# KiCad board CPU.kicad_pcb (continued)
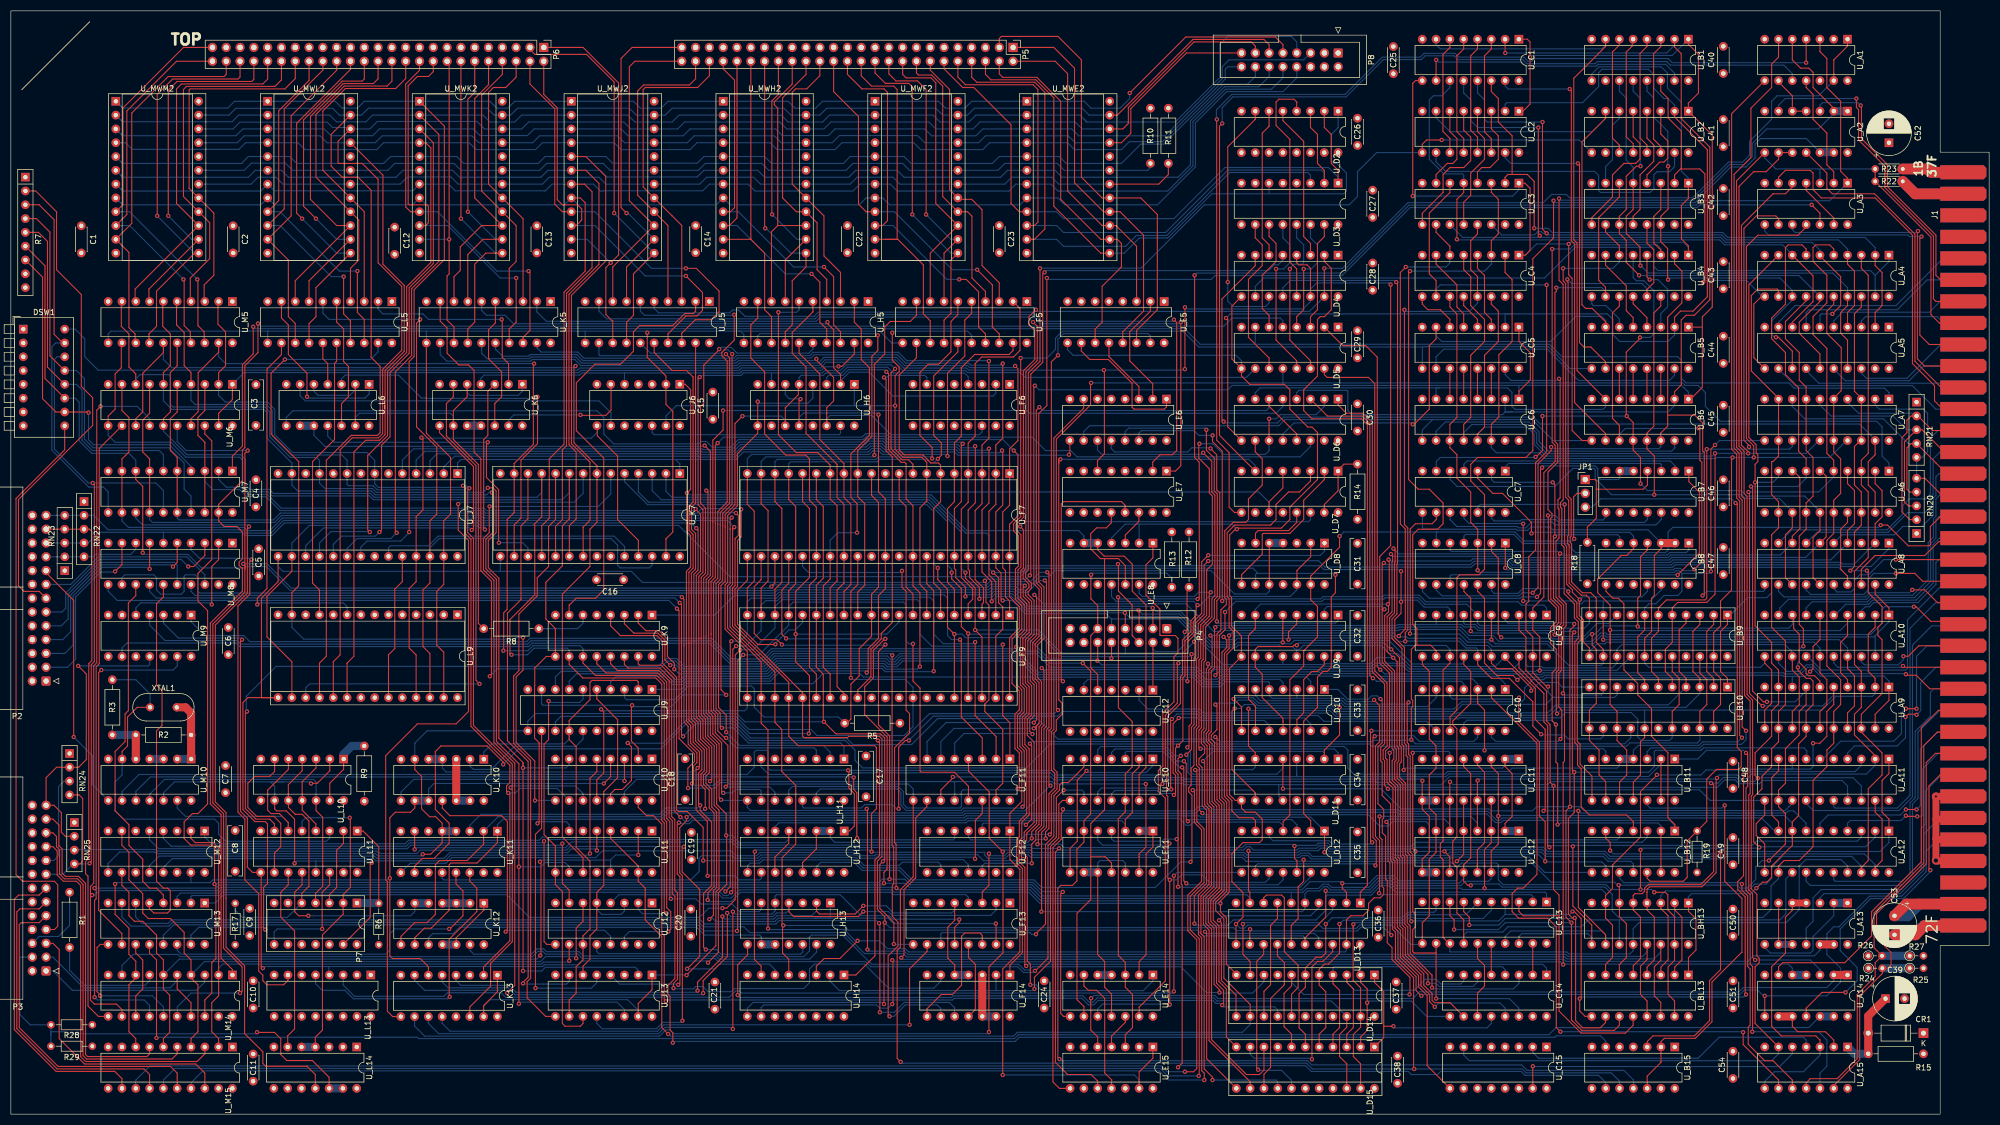
[diagram p0: board, top side]
## Routing (per net, layer and track width the routed paths; a pad name or vN(x,y) marks a point on that pad's centre or on a via; arc(x,y) is an arc through that point)
+5V: length 43.3
  Top w2: C53.1 348.75,38.66 J1.35 ; R22.1 350.4,169.34 J1.2
  Bottom w2: C53.1 349,36.5 351.16,38.66 J1.35 ; J1.2 350.4,169.34 R22.1
GND: length 41.5
  Top w2: R23.2 352.68,173.91 353.3,173.3 J1.1 ; C53.2 350.45,33 352.15,34.7 J1.36
  Bottom w2: C53.2 350.32,33 352.02,34.7 J1.36 ; J1.1 353.42,173.3 352.81,173.91 R23.2
/Addr U/D: length 348.5
  Top w0.2: U_B1.1 308.66,196.85 310.52,195 310.52,187.88 308.66,186.03 U_B2.1 313.06,180.15 313.06,148.51 311.23,146.68 311.23,133.73 309.06,131.56 ; U_C6.1 277.48,133 279.58,135.11 279.58,140.08 277.48,142.18 U_C5.1 ; U_C1.1 279.02,197.79 279.53,197.28 v1(279.53,194.49) 279.53,185.85 278.22,184.55 U_C2.1 ; U_B5.1 311.08,144.81 ; v1(188.23,72.03) 188.73,72.53 188.73,79.22 188.02,79.93 188.02,86.74 189.18,87.9 189.18,96.61 188.23,97.56 188.23,133.84 v1(188.42,134.04)
  Bottom w0.2: 277.44,134.09 307.4,134.09 307.86,133.64 307.87,133.64 308.66,132.85 U_B6.1 ; 277.44,134.09 277.48,134.06 U_C6.1 ; 277.44,134.09 224.72,134.09 223.9,133.27 189.18,133.27 v1(188.42,134.04) ; U_B1.1 305.67,194.8 279.84,194.8 v1(279.53,194.49) ; U_F11.7 168.58,68.55 172.09,72.06 188.2,72.06 v1(188.23,72.03)
/Addr_Clock: length 199.6
  Top w0.2: v1(217.05,46.41) 217.32,46.68 217.32,58.7 216.72,59.3 216.72,60.05 217.17,60.5 217.17,63.64 217.69,64.15 217.69,71.02 218.15,71.48 218.15,83.73 218.48,84.06 218.48,90.22 220.02,91.76 220.02,100.12 221.07,101.17 221.07,113.73 220.51,114.29 220.51,118.76 218.57,120.7 218.57,123.23 v1(218.7,123.36) ; v1(231.52,127.94) 231.51,127.92 U_D6.11
  Bottom w0.2: U_H12.9 135.55,45.68 136.05,46.18 137.77,46.18 138.37,46.78 155.33,46.78 156.8,45.31 163.65,45.31 165.87,43.1 188.25,43.1 189.65,41.71 210.57,41.71 215.27,46.41 v1(217.05,46.41) ; U_D6.2 241.67,130.21 240.16,128.7 233.56,128.7 232.79,127.94 v1(231.52,127.94) ; v1(218.7,123.36) 218.7,123.36 221.12,123.36 223.08,121.4 230.82,121.4 231.52,122.1 231.51,122.11 U_D6.11
/AFL.CARRY: length 154.4
  Top w0.2: v1(114.3,75.24) 114.18,75.11 114.18,68.63 115.43,67.38 U_J10.2 ; 142.5,126.8 142.5,129.97 144.9,132.37 144.9,134.28 ; v1(131.62,77.14) 130.66,78.1 130.66,97.25 131.43,98.02 131.43,108.04 131.43,108.04 131.43,110.32 133.23,112.12 133.23,127.05 v1(134.61,128.43)
  Bottom w0.2: U_H6.5 145.03,135.56 145.42,135.94 149.52,135.94 149.95,136.37 152.84,136.37 153.9,137.43 161.32,137.43 162.38,136.37 175.47,136.37 176.15,135.69 176.15,134.28 ; v1(134.61,128.43) 134.62,128.45 141.74,128.45 142.5,127.69 142.5,126.8 ; U_J9.9 97.65,75.5 97.92,75.24 v1(114.3,75.24) 114.56,74.98 121.49,74.98 123.65,77.14 v1(131.62,77.14)
/AFL.HALFC: length 61
  Top w0.2: v1(96.52,23.18) 96.52,51.49 97.65,52.61 U_J9.12
  Bottom w0.2: v1(96.52,23.18) 106.82,23.18 107.81,24.17 U_J13.5
/AFL.LZERO: length 26.2
  Bottom w0.2: 84.48,65.3 84.48,64.08 84.46,64.06 85.09,63.42 88.39,63.42 92.64,67.67 103.94,67.67 105.27,69 105.27,70.53
/AFL.OVER: length 75.1
  Top w0.2: v1(98.94,76) 98.94,68.88 98.11,68.05 98.11,51.43 100.19,49.34 U_J11.9 100.19,42.23 101.48,40.94 101.48,16.69 101.98,16.18 104.78,16.18 105.27,16.67 105.27,17.99
  Bottom w0.2: 105.27,78.15 105.27,76.36 104.65,75.74 99.19,75.74 v1(98.94,76)
/AFL.SIGN: length 65.1
  Top w0.2: U_J9.5 107.81,76.39 111.64,72.57 111.64,61.9 109.1,59.36 109.1,42.09 107.81,40.8 U_J12.5 107.81,34.07 106.56,32.82 106.56,28.5 105.27,27.21 105.27,25.6
  Bottom w0.2: U_J12.5 107.81,37.66 108.72,36.75 112.27,36.75 112.89,37.37 U_J12.3
/AFL.ZERO: length 96.3
  Top w0.2: U_J9.2 115.43,79.54 115.45,79.55 115.19,79.81 106.94,79.81 106.56,79.43 106.56,76.25 102.73,72.43 U_J9.14 102.73,68.9 104.02,67.62 104.02,49.08 106.56,46.54 106.56,34.09 105.27,32.8 105.27,28.36 104.02,27.1 104.02,22.28 102.73,20.99 U_J13.10
  Bottom w0.2: U_J9.14 102.73,69.03 102.75,69.01 101.86,68.12 88.52,68.12 87.02,66.62 U_K10.1
/ALU.CARRY: length 142.1
  Top w0.2: v1(161.09,136.6) 161.49,136.19 161.49,122.26 163.81,119.94 164.47,119.94 164.72,119.69 164.72,113.21 165.99,111.94 U_F7.33 165.99,97.21 167.26,95.94 v1(167.26,82.35)
  Bottom w0.2: v1(161.09,136.6) 160.71,136.97 154.08,136.97 153.03,135.92 150.48,135.92 150.11,135.56 U_H6.3 ; v1(167.26,82.35) 166.79,81.87 161.05,81.87 160.47,82.46 141.26,82.46 139.38,80.57 123.83,80.57 123.72,80.46 123.72,80.42 123.27,79.97 122.14,79.97 120.63,81.48 101.25,81.48 100.19,80.43 U_J9.8
/ALU.CARRY_IN: length 71.7
  Top w0.2: U_F9.29 155.83,78.02 158.25,80.44 158.25,85.51 160.15,87.42 160.15,88.44 162.18,90.47 162.18,120.93 161.04,122.07 161.04,135.18 v1(160.66,135.56)
  Bottom w0.2: v1(160.66,135.56) 161.17,135.56 161.53,135.92 168.17,135.92 168.53,135.56 U_F6.7
/ALU.HALFC: length 112.3
  Top w0.2: v1(154.56,80.27) 154.56,96.19 155.83,97.46 U_F7.29
  Bottom w0.2: v1(154.56,80.27) 154.86,79.97 164.55,79.97 165.99,78.54 U_F9.33 165.99,71.29 164.36,69.67 148.32,69.67 147.2,70.78 135.8,70.78 133.4,73.18 101.2,73.18 100.19,72.17 U_J9.13
/ALU.OVER: length 92.7
  Top w0.2: U_F7.34 168.53,97.59 169.8,96.32 v1(169.8,81.5)
  Bottom w0.2: v1(169.8,81.5) 169.72,81.42 160.86,81.42 160.28,82 141.45,82 139.56,80.12 124.06,80.12 123.46,79.52 121.95,79.52 120.44,81.03 104.09,81.03 102.73,79.66 U_J9.7
/ALU.SHIFT_Q0: length 118.5
  Top w0.2: v1(108.61,74.48) 109.1,74 109.1,62.79 107.81,61.5 U_J10.12 ; v1(137.42,131.11) 137.42,125.27 133.68,121.54 133.68,111.93 131.89,110.14 131.89,107.81 131.89,107.8 131.89,97.84 131.42,97.37 131.42,89.23 135.51,85.15 U_F9.21
  Bottom w0.2: v1(137.42,131.11) 137.72,130.81 146.63,130.81 147.57,131.75 U_H6.4 ; v1(108.61,74.48) 108.88,74.22 135,74.22 135.51,74.72 U_F9.21
/ALU.SHIFT_RAM0_Q7: length 121.3
  Top w0.2: v1(113.5,68.29) 114.18,67.62 114.18,61.39 112.53,59.74 111.13,59.74 110.35,58.96 U_J10.13 ; U_F7.16 145.67,112.7 146.94,111.43 146.94,98.73 144.4,96.19 v1(144.4,88.32) 144.4,83.24 146.94,80.7 146.94,70.16 v1(146.81,70.03)
  Bottom w0.2: U_F9.9 163.45,90.6 161.17,88.32 v1(144.4,88.32) ; v1(146.81,70.03) 135.91,70.03 133.21,72.73 124.49,72.73 120.01,68.25 113.55,68.25 v1(113.5,68.29)
/ALU.SHIFT_RAM7: length 156
  Top w0.2: v1(128.66,61.26) 128.96,61.56 128.96,67.6 127.35,69.21 127.35,72.48 126.57,73.26 126.57,87.41 126.57,87.41 126.57,98.94 127.35,99.72 127.35,111.21 126.44,112.12 126.44,135.32 v1(126.74,135.62) ; v1(162.69,137.13) 161.95,136.38 161.95,136.38 161.95,122.45 164,120.39 165.16,120.39 165.99,119.56 U_F7.8
  Bottom w0.2: v1(128.66,61.26) 128.33,61.59 115.14,61.59 112.89,59.34 U_J10.14 ; v1(162.69,137.13) 161.94,137.88 153.71,137.88 152.65,136.83 149.76,136.83 149.33,136.39 134.82,136.39 134.35,135.92 126.88,135.92 126.74,135.78 v1(126.74,135.62) ; 139.95,136.32 U_H6.7
/ALU.SIGN: length 126.6
  Top w0.2: v1(145.29,131.56) 145.03,131.3 U_H6.12 ; v1(159.64,128.71) 159.64,114.48 160.91,113.21 160.91,96.69 159.64,95.43 159.64,87.55 157.74,85.65 157.74,81.5 v1(157.48,81.25)
  Bottom w0.2: U_H6.6 142.49,132.51 142.5,132.51 142.5,132.38 143.26,131.62 145.23,131.62 v1(145.29,131.56) ; 145.04,126.8 145.04,128.19 145.85,129.01 159.34,129.01 v1(159.64,128.71) ; U_J9.4 110.35,79.54 111.39,80.57 120.25,80.57 121.78,79.04 123.63,79.04 124.25,79.67 139.75,79.67 141.63,81.55 157.18,81.55 v1(157.48,81.25)
/ALU.ZERO: length 97
  Top w0.2: 153.8,71.93 154.56,72.69 154.56,79.11 156.09,80.63 156.09,85.65 158.37,87.93 U_F9.11 158.37,95.68 159.64,96.95 159.64,112.57 158.37,113.85 U_F7.11
  Bottom w0.2: R5.2 152.28,73.08 138.56,73.08 136.78,74.85 136.78,78.28 136.31,78.76 124.63,78.76 122.12,76.25 113.29,76.25 112.89,76.65 U_J9.3
/BeginRead: length 152.2
  Top w0.2: v1(186.16,56.57) 186.46,56.87 186.46,66.85 185.66,67.65 185.66,73.21 186.46,74.01 186.46,78.28 185.75,78.99 185.75,87.68 186.91,88.84 186.91,93.96 185.81,95.06 185.81,99.99 186.3,100.49 186.3,107.53 v1(185.7,108.13)
  Bottom w0.2: U_D7.14 239.13,109.38 238.76,109.02 186.59,109.02 v1(185.7,108.13) ; v1(186.16,56.57) 185.9,56.31 175.27,56.31 174.84,55.88 164.72,55.88 163.76,56.84 163.76,59.17 163.1,59.83 148.94,59.83 148.21,59.1 U_H11.14
/BeginWrite: length 134
  Top w0.2: v1(165.23,68.76) 164.59,68.76 163.35,67.52 v1(163.35,56.18)
  Bottom w0.2: v1(163.35,56.18) 162.95,56.18 162.18,56.95 157.1,56.95 156.49,56.33 145.91,56.33 145.67,56.57 U_H11.13 ; U_C10.9 260.51,72.28 241.6,72.28 240.53,73.34 219.22,73.34 218.47,74.09 193.47,74.09 192.62,73.24 169.71,73.24 v1(165.23,68.76)
/BUS_FORCE_READY: length 151.6
  Top w0.2: U_E15.5 199.98,14.2 198.7,15.48 198.7,21.27 v1(198.76,21.32)
  Top w1.5: U_A14.1 335.42,25.6
  Bottom w0.2: v1(198.76,21.32) 199.26,21.82 221.56,21.82 222.11,21.27 257.95,21.27 259.21,22.53 259.84,22.53 259.9,22.47 317.94,22.47 318.77,23.29 334.14,23.29 335.42,24.57 335.42,25.6
/BUS_TIMEOUT: length 237
  Top w0.2: 327.8,176.93 325.25,176.93 325.25,175.7 322.96,173.41 320.68,173.41 317.98,170.7 317.98,122.91 318.91,121.98 318.91,114.23 319.46,113.67 319.46,77.21 320.48,76.19 320.48,58.79 320.22,58.53 320.22,41.48 321.25,40.45 321.25,29.13 321.69,28.68 321.69,27.86 320.93,27.1 320.93,16.69 325.25,12.37
  Bottom w0.2: U_C15.7 267.32,10.86 268.35,9.83 323.98,9.83 325.25,11.1 U_A15.6
/BusCycleEnd: length 113.3
  Top w0.2: 198.7,47.35 198.7,51.03 198.7,51.03 198.7,53.46 201.23,55.99 201.23,102.2 201.24,102.21 ; 198.7,47.35 198.7,39.49 196.16,36.95 196.16,21.06 197.44,19.79 U_E14.9 ; 198.7,47.35 201.37,47.35 202.52,46.2 U_E11.11 ; U_E7.12 202.48,108.8 201.55,107.87 199.77,107.87 198.69,106.79 198.69,104 200.48,102.21 201.24,102.21 ; 201.24,102.21 203.78,102.21 205.06,100.94 U_E8.12
/CCR.CARRY: length 168.6
  Top w0.2: U_J10.4 110.35,62.09 v1(109.1,60.84) ; U_K13.6 76.82,27.12 75.31,28.63 70.23,28.63 69.73,29.13 v1(69.73,43.4) 69.73,54.53 70.74,55.55 73.54,55.55 74.32,56.34 U_K10.9 ; U_M14.8 22.98,28.12 21.72,29.39 21.72,34.21 19.18,36.75 v1(19.18,42.34) ; 22.98,12.63 22.98,13.9 21.72,15.16 21.72,23.81 22.98,25.07
  Bottom w0.2: v1(19.18,42.34) 19.43,42.6 33.15,42.6 ; v1(69.73,43.4) 69.43,43.1 37.16,43.1 36.72,42.65 36.72,42.6 33.15,42.6 ; 33.15,42.6 33.12,42.62 U_M12.15 ; U_K10.10 76.86,59.85 77.85,60.84 v1(109.1,60.84)
  Bottom w1.5: U_K10.9 U_K10.10
/CCR.OVER: length 150.1
  Top w0.2: U_J11.2 115.43,47.7 v1(115.45,47.68) ; v1(97.35,46.45) 97.54,46.26 97.54,29.32 v1(97.41,29.2) ; U_M12.10 20.42,42.11 21.72,40.82 21.72,36.5 22.74,35.48 24.26,35.48 26.8,32.94 26.8,29.64 28.06,28.38 U_M14.6 28.06,23.04 29.22,21.89 29.22,15.05 28.06,13.9 28.06,12.88
  Bottom w0.2: 110.35,46.75 110.35,46.77 111.25,47.68 115.44,47.68 v1(115.45,47.68) ; 110.35,46.75 97.65,46.75 v1(97.35,46.45) ; 110.35,46.75 U_J11.13 ; U_M14.6 30.98,28.52 96.73,28.52 v1(97.41,29.2)
/CCR.SIGN: length 130.5
  Top w0.2: U_M12.7 20.42,49.48 21.72,48.18 21.72,43.1 24.26,40.56 24.26,37.01 25.28,35.99 29.34,35.99 31.88,33.45 31.88,29.64 33.15,28.38 U_M14.4 ; v1(104.02,28.69) 104.02,34.21 105.27,35.47 105.27,38.85 ; 33.15,25.07 34.42,23.79 34.42,15.16 33.15,13.89 33.15,12.88
  Bottom w0.2: v1(104.02,28.69) 103.72,28.99 98.39,28.99 97.46,28.06 35.6,28.06 U_M14.4
/CCR.ZERO: length 112.9
  Top w0.2: U_J12.10 102.73,28.25 v1(102.75,28.23) ; U_M12.2 33.12,50.75 33.91,49.96 37.21,49.96 38.23,48.95 U_M14.2 ; 38.23,13.14 38.23,13.9 36.96,15.16 36.96,20.5 38.23,21.76 38.23,25.07
  Bottom w0.2: v1(102.75,28.23) 102.49,27.98 98.02,27.98 97.65,27.61 38.99,27.61 38.23,26.84 U_M14.2
/CondCycle: length 103.6
  Top w0.2: U_K9.4 110.35,89.85 112.16,88.04 118.88,88.04 119.89,87.03 119.89,82.99 122.49,80.39 122.49,56.01 122.82,55.68 124.46,55.68 127.38,52.76 127.38,46.67 v1(127.39,46.66)
  Bottom w0.2: v1(127.39,46.66) 127.41,46.64 128.92,46.64 128.93,46.64 137.58,46.64 138.18,47.24 155.52,47.24 156.99,45.77 163.45,45.77 164.05,46.37 170.6,46.37 171.12,45.85 171.12,44.47
/CondDMARequest: length 125.7
  Top w0.2: v1(121.92,23.18) 121.92,24.05 122.65,24.78 122.65,40.73 122.16,41.22 122.16,54.2 121.58,54.79 121.58,79.9 119.41,82.08 113.56,82.08 112.89,82.74 U_K9.14
  Bottom w0.2: v1(121.92,23.18) 122.05,23.05 125.6,23.05 126.03,23.48 127.33,23.48 128.27,22.53 132.58,22.53 133.16,23.11 145.87,23.11 146.94,24.18 146.94,26.72 147.83,27.61 157.05,27.61 161.48,23.18 169.83,23.18 171.12,24.47 171.12,25.6
/CondMemFault: length 255
  Top w0.2: v1(121.8,13.14) 121.8,14.96 121.29,15.47 121.29,21.64 120.91,22.02 120.91,23.68 122.18,24.95 122.18,40.06 121.71,40.53 121.71,54.02 121.13,54.6 121.13,79.72 119.22,81.62 111.6,81.62 110.35,82.87 U_K9.13
  Bottom w0.2: U_B15.6 293.46,13.43 292.48,14.4 284.36,14.4 284.1,14.15 185.56,14.15 184.8,13.39 122.04,13.39 v1(121.8,13.14)
/CondMultiINT: length 74.8
  Top w0.2: v1(121.43,39.62) 121.25,39.79 121.25,53.83 120.67,54.41 120.67,79.53 119.03,81.17 109.51,81.17 107.81,82.87 U_K9.12
  Bottom w0.2: U_H13.6 138.09,37.68 137.67,37.26 134.12,37.26 132.72,38.66 127,38.66 126.04,39.62 v1(121.43,39.62)
/CondRegOrPageOut: length 219.2
  Top w0.2: U_D12.1 241.71,48.21 v1(241.68,48.18) ; v1(123.19,54.66) 122.03,55.82 122.03,80.2 119.64,82.6 115.65,82.6 115.43,82.82 U_K9.15
  Bottom w0.2: U_D12.1 239.16,54.64 218.94,54.64 218.68,54.9 175.78,54.9 175.4,54.51 125.26,54.51 124.65,53.9 124.02,53.9 123.26,54.66 v1(123.19,54.66) ; U_B12.11 298.54,46.05 298.07,46.51 293.89,46.51 292.98,47.42 282.41,47.42 281.64,48.2 264.81,48.2 264.21,47.6 254.71,47.6 254.44,47.88 241.99,47.88 v1(241.68,48.18)
/CondRIR_{0NOR4}: length 133.8
  Top w0.2: U_K9.3 112.89,90.24 114.63,88.5 119.07,88.5 120.34,87.22 120.34,83.6 v1(121.33,82.61)
  Bottom w0.2: U_D10.4 234.09,79.4 233.49,80 223.22,80 222.31,79.1 219.46,79.1 217.7,80.86 188.82,80.86 185.85,83.83 163.92,83.83 162.87,82.78 161.43,82.78 160.84,83.36 140.88,83.36 139,81.48 123.55,81.48 122.41,82.62 121.34,82.62 v1(121.33,82.61)
/CondRIR_{0}: length 218.1
  Top w0.2: v1(250.83,76.21) 251.84,75.19 251.84,68.52 251.08,67.76 251.08,51.09 251.84,50.34 251.84,40.75 v1(251.75,40.66) ; v1(122.08,81.87) 122.09,81.88 122.09,82.92 120.8,84.21 120.8,87.41 119.26,88.95 116.84,88.95 115.43,90.36 U_K9.2
  Bottom w0.2: v1(250.83,76.21) 250.53,75.91 245.77,75.91 245.17,76.52 236.59,76.52 ; v1(122.08,81.87) 122.92,81.03 139.19,81.03 141.07,82.91 160.66,82.91 161.24,82.33 163.06,82.33 164.11,83.38 185.66,83.38 188.64,80.4 217.51,80.4 219.27,78.64 222.5,78.64 223.41,79.55 231.4,79.55 231.55,79.4 U_D10.5 231.55,77.01 232.05,76.52 236.59,76.52 ; 280.02,38.85 280.02,40.07 279.71,40.38 252.03,40.38 v1(251.75,40.66) ; 236.59,76.52 236.63,76.55 U_D10.3
/CPL_Disable: length 173.4
  Top w0.2: v1(216.49,79.65) 216.49,86.87 218.02,88.41 218.02,90.41 219.56,91.95 219.56,101.02 v1(220.32,101.78)
  Bottom w0.2: v1(216.49,79.65) 216.19,79.95 198.14,79.95 197.44,79.25 U_E12.6 ; 345.56,105.07 345.56,104.06 342.27,100.76 336.81,100.76 336.51,101.07 306.19,101.07 305.72,100.6 276.14,100.6 275.47,101.27 269.38,101.27 268.76,100.65 241.78,100.65 240.6,101.83 220.37,101.83 v1(220.32,101.78)
/CPL_{0}: length 221.7
  Top w0.2: 252.32,92.86 252.35,92.89 v1(252.73,92.89) ; 252.32,92.86 252.32,83.15 254.13,81.34 254.13,67.32 254.46,66.99 254.46,65.35 254.16,65.05 254.16,61.42 255.22,60.37 255.22,47.31 255.57,46.96 255.57,34.61 256.12,34.05 256.12,29.02 259.46,25.68 259.46,23.6 261.05,22.01 261.05,20.69 v1(262,19.74) ; 252.32,92.86 252.32,101.12 v1(252.62,101.42) ; 343.02,105.07 343.02,108.63 344.3,109.91 344.3,114.73 343.02,116.01 343.02,118.53
  Bottom w0.2: v1(252.62,101.42) 252.94,101.11 268.57,101.11 269.19,101.72 275.65,101.72 276.32,101.05 305.53,101.05 306,101.52 336.69,101.52 337,101.22 339.17,101.22 343.02,105.07 ; v1(252.73,92.89) 252.22,93.4 242.19,93.4 241.67,92.87 U_D9.2 ; v1(262,19.74) 262.71,20.44 274,20.44 274.94,19.5 U_C14.13
/CPL_{1}: length 241.7
  Top w0.2: 337.94,105.07 337.94,107.36 339.22,108.64 339.22,114.73 337.94,116.01 337.94,118.53 ; U_D9.7 228.97,89.35 228.98,89.33 227.71,88.06 227.71,76.38 229.01,75.08 U_D10.9 ; v1(253.48,102.03) 253.62,101.89 253.62,94.07 v1(253.37,93.82) 253.49,93.7 253.49,92.42 252.78,91.71 252.78,83.33 254.6,81.51 254.6,67.49 254.92,67.17 254.92,65.17 254.62,64.87 254.62,61.61 255.67,60.56 255.67,47.5 256.02,47.14 256.02,34.8 256.58,34.24 256.58,29.21 259.97,25.82 259.97,23.73 261.5,22.2 261.5,20.95 261.95,20.51 264.8,20.51 U_C14.10
  Bottom w0.2: v1(253.48,102.03) 253.74,101.78 268.6,101.78 269,102.18 275.84,102.18 276.51,101.51 305.34,101.51 305.81,101.98 334.85,101.98 337.94,105.07 ; v1(253.37,93.82) 253.34,93.85 229.95,93.85 228.97,92.87 U_D9.7
/CPL_{2}: length 219.8
  Top w0.2: 332.87,118.53 334.02,117.38 334.02,106.22 332.87,105.07 ; U_D10.12 236.63,72.59 237.87,73.84 237.87,79.93 239.4,81.46 240.41,81.46 241.67,82.71 U_D9.15 ; v1(260.74,24.06) 260.74,25.7 257.03,29.4 257.03,34.43 256.48,34.98 256.48,47.33 256.12,47.69 256.12,60.75 255.07,61.8 255.07,64.68 255.37,64.98 255.37,67.36 255.05,67.68 255.05,83.28 v1(254.36,83.97) 253.23,85.1 253.23,91.52 254.13,92.42 254.13,101.61 254.24,101.72 254.24,102.75 v1(253.94,103.05)
  Bottom w0.2: v1(260.74,24.06) 260.74,24.05 262.26,24.05 262.82,23.49 269.03,23.49 269.86,24.32 U_C14.6 ; 332.87,105.07 330.23,102.43 305.62,102.43 305.16,101.96 276.7,101.96 276.03,102.63 254.35,102.63 v1(253.94,103.05) ; v1(254.36,83.97) 254.33,84 251.34,84 250.21,82.87 241.79,82.87 241.67,83 U_D9.15
/CPL_{3}: length 235.8
  Top w0.2: v1(254.39,104.06) 254.69,103.76 254.69,101.53 254.58,101.42 254.58,92.23 253.68,91.33 253.68,85.81 v1(253.98,85.52) 255.51,83.99 255.51,67.87 255.82,67.55 255.82,64.79 255.52,64.49 255.52,61.99 256.58,60.93 256.58,47.87 256.93,47.52 256.93,35.17 257.49,34.62 257.49,29.59 261.49,25.58 v1(261.49,23.28) ; U_D10.11 234.09,72.29 234.06,72.31 234.06,72.82 230.25,76.63 230.25,80.95 228.97,82.24 U_D9.10 228.97,85.51 229.49,86.03 235.84,86.03 236.1,86.29 v1(236.62,86.29) ; 327.79,118.53 329.17,117.15 329.17,107.73 327.79,106.34 327.79,105.07
  Bottom w0.2: v1(254.39,104.06) 254.39,104.06 255.36,103.09 276.22,103.09 276.89,102.42 304.97,102.42 305.44,102.89 325.6,102.89 327.79,105.07 ; v1(253.98,85.52) 253.88,85.52 252.7,86.7 237.03,86.7 v1(236.62,86.29) ; U_C14.3 277.48,24.04 276.48,23.04 261.74,23.04 v1(261.49,23.28)
/DataRDCycle: length 205
  Top w0.2: U_B12.4 298.54,53.81 297.31,55.04 290.45,55.04 288.93,56.57 288.93,63.54 288.27,64.2 288.27,67.87 287.77,68.38 287.77,86.9 288.41,87.55 288.41,90.6 287.68,91.33 287.68,93.9 285.81,95.77 285.81,104.27 285.37,104.71 285.37,111.44 285.13,111.69 285.13,112.5 285.63,113 285.63,152.66 284.86,153.42 v1(284.86,168.46) ; 327.79,197.78 327.79,193.98 329.31,192.46 330.84,192.46 331.6,191.69 331.6,188.9 335.42,185.09
  Bottom w0.2: 335.42,184.08 332.62,181.28 323.08,181.28 320.42,178.62 320.42,176.2 318.95,174.73 316.23,174.73 309.66,168.16 285.16,168.16 v1(284.86,168.46)
  Bottom w1.5: 335.42,184.55 U_A2.1
/DataWTClock: length 343
  Top w0.2: 343.02,57.18 343.02,55.56 344.3,54.28 344.3,46.66 343.02,45.38 343.02,43.76 ; v1(192.86,48.89) 192.19,48.22 192.19,9.54 194.44,7.29 198.76,7.29 199.98,6.07 U_E15.10 ; v1(74.3,48.72) 74.28,48.74 U_K11.7
  Bottom w0.2: 343.03,43.76 343.03,45.9 341.05,47.88 315.34,47.88 315.34,47.87 314.89,47.42 294.26,47.42 293.34,48.35 282.77,48.35 282.01,49.11 258.14,49.11 257.81,48.78 242.79,48.78 242.18,49.39 240.73,49.39 240.27,48.93 236.95,48.93 236.61,48.59 228.63,48.59 228.03,49.19 227.4,49.19 226.8,48.59 193.16,48.59 v1(192.86,48.89) 187.97,48.89 187.81,49.05 133.65,49.05 132.63,50.07 103.11,50.07 102.06,49.02 74.6,49.02 v1(74.3,48.72)
/DMA.Write: length 299.4
  Top w0.2: v1(243.72,99.24) 243.72,95.94 242.95,95.17 242.95,82.22 242.19,81.46 241.43,81.46 240.41,80.44 240.41,74.85 237.87,72.31 237.87,55.3 239.17,54 U_D12.2
  Bottom w0.2: 229.49,99.49 243.46,99.49 v1(243.72,99.24) ; 229.49,99.49 229.24,99.49 229.01,99.26 U_D8.9 ; 229.49,99.49 228.53,100.45 187.27,100.45 185.71,98.89 132.3,98.89 122.87,108.33 86.39,108.33 85.93,108.78 50.34,108.78 48.03,106.47 43.13,106.47 42.54,107.06 28.02,107.06 ; 28.02,107.06 28.06,107.01 U_M8.6 ; 28.02,107.06 16.19,107.06 16.19,107.04 14.25,105.1 RN22.4 ; P2.21 9.92,105.09 ; RN23.3 13.45,105.09
/DMA.~{AddressControl}: length 32.4
  Top w0.2: U_M8.9 20.45,101.13 v1(19.18,99.86)
  Bottom w0.2: P2.3 10.43,82.23 11.91,83.71 11.91,95.14 16.51,99.75 19.06,99.75 v1(19.18,99.86)
/DMA.~{BusReadReady}: length 34.5
  Bottom w0.2: U_M8.18 35.69,99.24 32.39,102.54 16.1,102.54 11.03,97.47 P2.15
/DMA.~{BusWriteOE}: length 46.6
  Top w0.2: 6.48,99.62 11.56,94.54 v1(11.56,69.39)
  Bottom w0.2: U_M10.8 14.99,60.66 14.99,65.96 v1(11.56,69.39)
/DMA.~{Enable}: length 38.5
  Top w0.2: v1(32.64,100.76) 33.66,100.76 35.69,102.79 U_M8.3
  Bottom w0.2: v1(32.64,100.76) 31.32,102.09 16.28,102.09 10.09,95.89 10.09,93.07 9.41,92.39 P2.11
/DMA.~{End}: length 35.4
  Bottom w0.2: P2.9 9.28,89.85 10.54,91.11 10.54,95.7 16.36,101.52 30.1,101.52 30.6,101.02 30.6,97.46
/DMA.~{INTRequest}: length 100.5
  Top w0.2: 17.37,17.99 16.1,17.99 14.19,19.9 14.19,43.77 13.74,44.22 13.74,46.46 14.34,47.06 14.34,82.89 14.9,83.45 14.9,107.2 14.47,107.63 P2.23
/DMA.~{Request}: length 244.2
  Top w0.2: v1(126.11,107.81) 126.44,107.49 126.44,100.09 125.66,99.32 125.66,87.04 125.67,87.04 125.67,72.88 126.44,72.11 126.44,68.84 128.05,67.23 128.05,62.99 127.44,62.38 127.44,60.7 128.5,59.63 128.5,56.33 129.4,55.43 129.4,41.88 128.27,40.76 128.27,39.48 v1(128.2,39.41)
  Bottom w0.2: 9.92,110.18 RN22.2 15.22,110.18 17.89,107.51 42.73,107.51 43.32,106.92 47.84,106.92 50.15,109.24 86.12,109.24 86.58,108.78 125.15,108.78 v1(126.11,107.81) ; U_F13.4 176.2,39.88 175.7,40.38 162.36,40.38 161.91,40.83 134.24,40.83 132.53,39.11 128.5,39.11 v1(128.2,39.41) ; 9.9,110.17 P2.25
/DMA.~{StartCycle}: length 18.2
  Bottom w0.2: P2.19 RN23.2 13.45,102.55 ; U_M8.8 22.98,103.93 22.05,102.99 15.57,102.99 15.14,102.56 RN22.5
/DMAAddressControl: length 504.8
  Top w0.2: v1(124.59,60) 124.57,60.03 124.57,63.66 125.78,64.87 125.78,66.29 122.94,69.12 122.94,80.49 122.94,80.49 122.94,92.63 v1(122.56,93.01) ; U_D6.1 244.21,130.5 245.75,128.96 248.8,128.96 250.51,127.25 250.51,81.39 252.77,79.13 252.77,68.16 252.05,67.44 252.05,65 252.31,64.73 252.31,58.64 253.85,57.1 253.85,46.75 254.21,46.39 254.21,34.04 254.76,33.49 254.76,28.46 258.1,25.12 258.1,8.4 v1(258.19,8.31) ; v1(163.71,9.62) 163.07,10.25 163.07,30.15 163.68,30.75 163.68,41.31 166.04,43.66 U_F11.9
  Bottom w0.2: U_M8.11 17.91,96.19 19.58,94.52 121.05,94.52 v1(122.56,93.01) ; U_F11.9 166.04,59.82 165.12,60.74 132.23,60.74 131.96,61.01 130.56,61.01 129.54,60 124.6,60 v1(124.59,60) ; v1(163.71,9.62) 163.95,9.38 164.16,9.38 ; 256.16,8.31 239.47,8.31 238.4,9.38 164.16,9.38 ; 256.16,8.31 v1(258.19,8.31) ; 256.16,8.31 278.1,8.31 278.81,7.6 294.46,7.6 296,6.06 U_B15.10 ; 164.16,9.38 164.01,9.38
/DMAEnable: length 232.7
  Top w0.2: v1(208.82,60.75) 208.85,60.72 208.85,49.13 207.58,47.87 207.58,47.36 207.6,47.34 U_E11.13 ; v1(125.32,60.84) 125.61,61.12 125.61,64.06 126.23,64.69 126.23,66.47 124.62,68.08 124.62,71.36 123.85,72.13 123.85,86.28 123.85,86.29 123.85,94.74 v1(123.46,95.13)
  Bottom w0.2: v1(125.32,60.84) 125.65,60.51 129.42,60.51 130.37,61.47 132.14,61.47 132.42,61.19 173.3,61.19 ; 173.3,61.19 191.61,61.19 192.05,60.76 208.81,60.76 v1(208.82,60.75) ; 173.3,61.19 173.56,61.19 173.66,61.09 U_F11.12 ; v1(123.46,95.13) 123.16,95.43 33.91,95.43 33.15,96.19 U_M8.17
/DMAINTRequest: length 213.8
  Top w0.2: v1(193.71,59.61) 192.37,58.27 192.37,50.96 190.83,49.42 190.83,28.7 188.5,26.36 v1(188.44,26.36)
  Bottom w0.2: U_M14.9 20.45,27.35 22.48,29.39 30.73,29.39 31.15,28.97 95.99,28.97 96.97,29.95 97.86,29.95 98.37,29.44 104.34,29.44 105.16,28.63 129.55,28.63 130.12,28.06 157.27,28.06 158.21,27.12 185.27,27.12 186.32,26.06 188.14,26.06 v1(188.44,26.36) ; v1(193.71,59.61) 193.71,59.61 197.11,59.61 197.44,59.28 U_E10.9
/DMARead: length 349.7
  Top w0.2: v1(123.07,94.08) 123.39,93.76 123.39,80.68 123.4,80.68 123.4,69.82 v1(123.7,69.52) ; v1(214.75,41.83) 214.75,62.54 214.3,62.99 214.3,67.35 v1(214.76,67.8) 215.65,68.69 215.65,80.31 216.03,80.7 216.03,87.06 217.57,88.59 217.57,90.6 219.11,92.14 219.11,101.64 220.01,102.53 220.02,102.53 v1(220.32,102.83)
  Bottom w0.2: v1(220.32,102.83) 220.36,102.79 240.92,102.79 241.71,103.58 U_D8.1 ; v1(123.07,94.08) 122.17,94.97 26.75,94.97 25.52,96.19 U_M8.14 ; v1(214.76,67.8) 214.46,68.1 191.25,68.1 186.85,63.71 156.71,63.71 155.32,65.09 155.32,66.98 153.55,68.76 135.9,68.76 132.84,71.82 126,71.82 123.7,69.52 v1(123.7,69.52) ; v1(214.75,41.83) 214.86,41.73 237.22,41.73 239.17,43.68 U_D12.13 ; U_E11.4 202.52,50.65 202.95,50.22 211.84,50.22 212.22,50.6 v1(214.51,50.6)
/DMAStartCycle: length 237
  Top w0.2: U_D8.10 U_D8.5
  Bottom w0.2: U_M8.12 20.45,98.72 20.96,99.24 26.29,99.24 26.8,98.73 26.8,96.44 27.56,95.68 31.37,95.68 31.88,96.19 31.88,98.98 32.13,99.24 33.91,99.24 34.42,98.73 34.42,96.14 34.67,95.88 140.46,95.88 141.05,96.48 179.9,96.48 180.5,97.08 184.89,97.08 185.49,96.48 186.88,96.48 189.35,98.95 191.01,98.95 192.06,100 220.86,100 225.14,95.72 231.05,95.72 231.55,96.22 U_D8.10
  Bottom w1.5: U_D8.5 U_D8.4
/F13_D_{3}: length 56.2
  Top w0.2: U_E10.6 197.44,63.88 194.57,61.01 193.42,61.01 192.96,60.55 192.96,59.64 191.91,58.6 191.91,51.15 190.38,49.61 190.38,34.98 188.61,33.21 v1(188.61,33.1)
  Bottom w0.2: v1(188.61,33.1) 187.83,33.1 187.53,33.4 171.33,33.4 171.12,33.19 171.12,31.23
/INT_ACK: length 328.2
  Top w0.2: v1(26.8,14.03) 26.8,28.37 25.51,29.67 U_M13.12
  Bottom w0.2: U_A14.12 330.82,15.93 284.31,15.93 282.98,14.6 185.38,14.6 184.67,13.89 75.06,13.89 74.81,14.15 26.92,14.15 v1(26.8,14.03)